# Altium PCB LoRaBoard1.PcbDoc (continued)
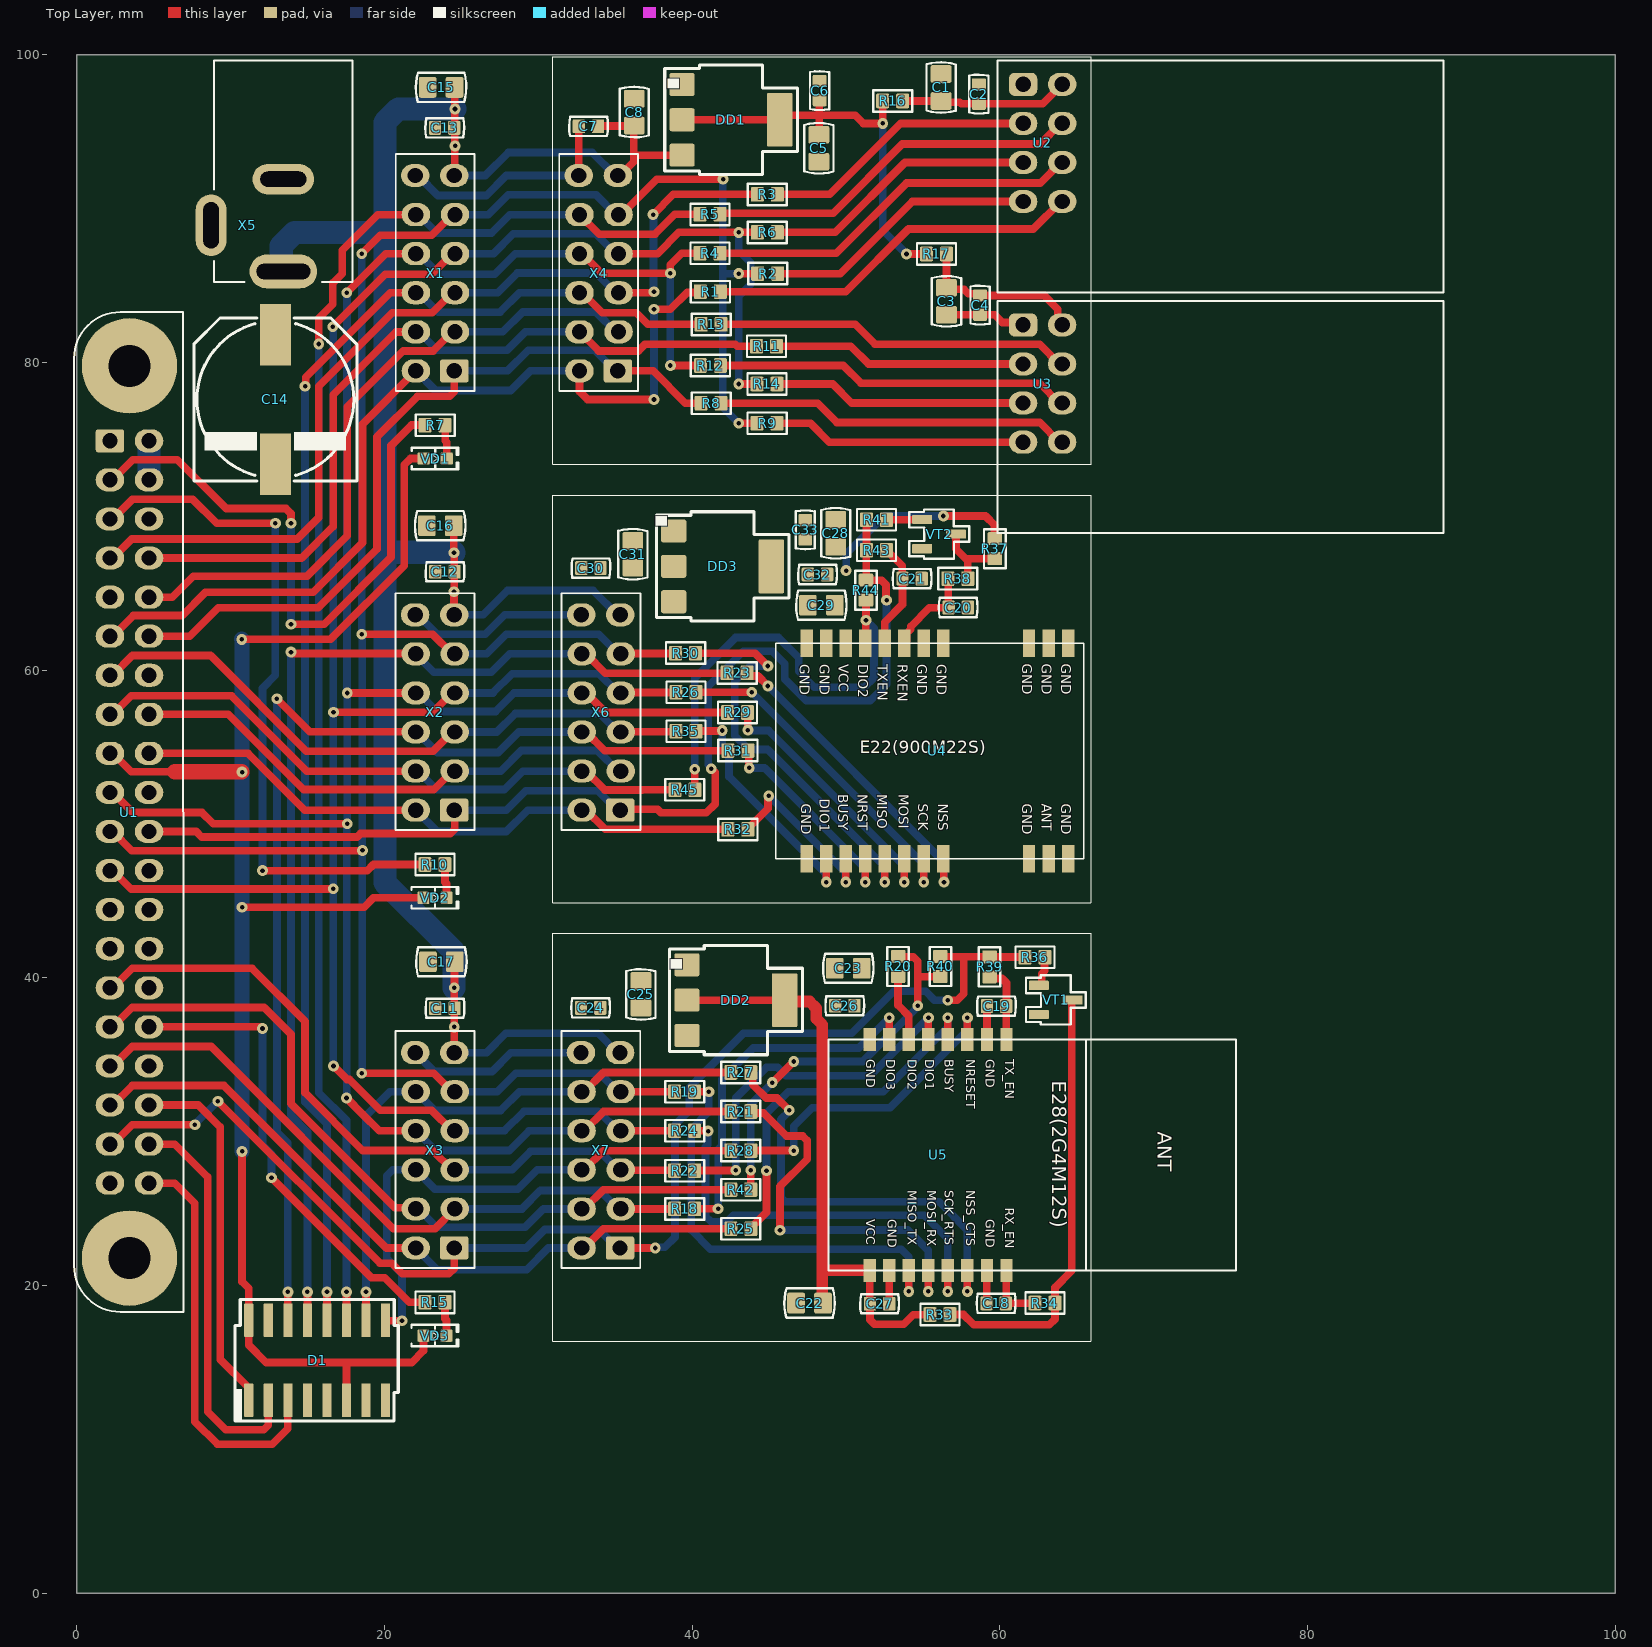
[diagram p0: Top Layer view]
## Part data
C1 C3 C5 C8 C15 C16 C17 C22 C23 C25 C28 C29 C31 C36 C37 C39: library part Capacitor, "10мкФ X5R 16В 10% 0805, CC0805KKX5R7BB106", Part Number=CC0805KKX5R7BB106
C2 C4 C6 C7 C9 C10 C11 C12 C13 C18 C19 C20 C21 C24 C26 C27 C30 C32 C33 C34 C35 C38 C40 C41: library part Capacitor, "CC0603JPX7R9BB104, 50V 100nF X7R 5% 0603", Part Number=CC0603JPX7R9BB104
C14: library part "CAP ALSMD ELEC", "ECAP SMD, 330 мкФ, 35 В, 105°C, 20% 10x10.5мм, JCK1V331M100105", Part Number="ECAP SMD, 330 мкФ, 35 В, 105°C, 20% 10x10.5мм, JCK1V331M100105"
D1: "3-to-8 line decoder/demultiplexer"
DD1 DD2 DD3 DD4: "800mA Low-Dropout Linear Regulator"
R1 R2 R3 R4 R5 R6 R8 R9 R11 R12 R13 R14 R16 R17 R18 R19 R20 R21 R22 R23 R24 R25 R26 R27 R28 R29 R30 R31 R32 R34 R35 R38 R39 R42 R43 R45 R46 R47 R48 R49 R50 R51 R52 R54 R56 R58: library part Resistor, "0.1Вт 0603 100 Ом, 5%, RC0603JR-07100RL", Part Number=RC0603JR-07100RL, Type=Резистор
R7 R10 R15: library part Resistor, "0.1Вт 0603 100 Ом, 5%, RC0603JR-07470RL", Part Number=RC0603JR-07470RL, Type=Резистор
R33 R37 R53: library part Resistor, "0.1Вт 0603 100 кОм, 5%, RC0603JR-071KL", Part Number=RC0603JR-07100KL, Type=Резистор
R36 R40 R41 R44 R55 R57: library part Resistor, "0.1Вт 0603 1 кОм, 5%, RC0603JR-071KL", Part Number=RC0603JR-071KL, Type=Резистор
U1: "1.4GHz 64-bit quad-core processor, dual-band wireless LAN, Bluetooth 4.2/BLE, faster Ethernet, and Power-over-Ethernet support (with separate PoE HAT)", Package=None, Availability=Unavailable, MF="Raspberry Pi Foundation (NF)", MP=RASPBERRYPI3_B+, Price=None, SnapEDA_Link=https://www.snapeda.com/parts/RASPBERRYPI4%204GB/Raspberry%20Pi/view-part/3832294/?ref=snap
U2 U3: "- Transceiver For Use With nRF24L01+", Package=None, Availability=Bad, MF="Nordic Semiconductor", Mouser-Purchase-URL=https://snapeda.com/shop?store=Mouser&id=230534, MP=NRF24L01P-MODULE-PCB, Price=None, SnapEDA_Link=https://www.snapeda.com/parts/NRF24L01P-MODULE-PCB/Nordic%20Semiconductor%20ASA/view-part/230534/?ref=snap
U4 U6: "E22-900M22S Ebyte -147dBm 22.3dBm 7km SPI SMD,14x20mm LoRa Modules", Manufacturer=EBYTE, Package=14x20mm, Temperature Range="-40…+85 °C", Number of Pins=22, Number of Rows=2, Part Number=E22-900M22S, Pitch=1.27
U5: "E28-2G4M20S Ebyte  -132dBm 21dBm 6km SPI SMD,15x26.5mm LoRa Modules", Manufacturer=EBYTE, Package=15x26.5mm, Temperature Range="-40…+85 °C", Number of Pins=16, Number of Rows=2, Part Number=E28-2G4M20S, Pitch=1.27
VT1 VT2 VT3: library part 2N7002ET1G, "MOSFET-N-60V-0.3A", Drain Current=0.3A, Drain Source Voltage=60V, Gate Source Voltage=±20V, Manufacturer="ON Semiconductor", On Drain Source Resistance=0.2Ohm, Package=SOT-23, Power Disspansion=0.5W, Temperature Range=-55…+150°C, Number of Channels=1, Part Number=2N7002ET1G, Polarity=N-Channel
X1 X2 X3 X4 X6 X7 X8: library part PLD-12, "2.54mm PIN Header 2X6P Straight Type H=2.5mm Full Gold Flash Plating.", Published=07.03.2013, Publisher="Andrew Danich", Type=Вилка
X5: "DC Power Receptacle Jack, Through Hole, Right Angle", MP=DC-005-5A-2.5

## Via types
v1: diameter 0.7, hole 0.3, Top Layer to Bottom Layer, tented both sides, 95 vias

## Nets (pads, with @x,y where several pads share a name; then routed paths per layer and width w, separated by ;. In a path a pad name is that pad's centre, name@x,y a point inside that pad or via, vN(x,y) a via of type N, cw(c..) or ccw(c..) an arc to the next point about the centre after c; other vN are vias at no path point)
3V3: C9.2 C10.2 D1.6 D1.16 U1.17 VD1.1 VD2.1 VD3.1 | length 103.3
  Top Layer w0.5: U1.17 2.325,54.59 3.525,53.39 6.365,53.39 ; v1(10.724,62.001) 16.487,62.001 21.285,66.8 21.285,73.356 21.688,73.758 VD1.1 ; v1(10.738,28.717) 10.738,20.25 11.177,19.811 D1.16 11.177,16.128 12.319,14.986 17.527,14.986 ; v1(10.738,44.593) 18.676,44.593 19.283,45.201 VD2.1 ; D1.6 17.527,14.986 ; VD3.1 22.53,15.748 21.768,14.986 17.527,14.986
  Top Layer w1: 6.365,53.39 10.724,53.39 v1(10.738,53.377)
  Bottom Layer w1: v1(10.724,62.001) 10.738,61.988 v1(10.738,44.593) v1(10.738,28.717)
3V3_1: C1.2 C2.2 R16.2 U2.2 | length 11
  Top Layer w0.5: R16.2 C1.2 56.258,96.931 57.383,96.931 57.483,96.831 C2.2 58.838,96.831 62.797,96.831 U2.2
3V3_2: C3.2 C4.2 R17.2 U3.2 | length 11.1
  Top Layer w0.5: R17.2 C3.2 56.63,84.759 57.665,84.759 57.959,84.465 58.605,84.465 C4.2 62.882,84.357 63.773,83.466 63.773,82.722 U3.2
3V3_3: C28.2 C29.2 C32.2 C33.2 DD3.2 DD3.4 R37.1 U4.9 | length 12.9
  Top Layer w0.5: v1(56.332,70.024) 59.066,70.024 59.659,69.431 59.659,68.566 R37.1
  Bottom Layer w0.5: v1(50.007,66.474) 50.022,66.489 50.022,67.574 52.472,70.024 v1(56.332,70.024)
3V3_4: C22.2 C23.2 C26.2 C27.2 DD2.2 DD2.4 R33.1 U5.1 | length 38.5
  Top Layer w0.4: U5.1 U5.1@51.551,20.977
  Top Layer w0.5: DD2.2 DD2.4 ; U5.1@51.551,20.977 51.551,18.822 C27.2 51.561,17.78 51.854,17.487 53.756,17.487 54.368,18.099 55.448,18.099 R33.1
  Top Layer w0.75: DD2.4 46.461,38.462 47.63,38.462 48.069,38.023 48.069,37.354 48.461,36.962 48.461,20.977 ; C22.2 48.461,18.903 48.461,20.977 ; C23.2 C23.2@49.288,40.61 ; U5.1@51.551,20.977 48.461,20.977
3V3_5: C36.2 C37.2 C40.2 C41.2 DD4.2 DD4.4 R53.1 U6.9
5V0: C7.2 C8.2 C11.2 C12.2 C13.2 C14.1 C15.2 C16.2 C17.2 C24.2 C25.2 C30.2 C31.2 DD1.3 DD2.3 DD3.3 U1.2 U1.4 X1.11 X2.11 X3.11 X4.11 X5.1 X6.11 X7.11 | length 141.6
  Top Layer w0.5: C16.2 24.508,69.382 24.508,67.643 24.536,67.615 24.536,66.418 C12.2 24.533,66.382 24.533,65.123 v1(24.514,65.103) 24.521,65.096 24.521,63.606 X2.11 ; v1(24.528,36.81) 24.541,36.822 24.541,38.01 C11.2 24.541,38.034 24.541,39.338 v1(24.53,39.35) 24.552,39.372 24.552,41.025 C17.2 ; X3.11 v1@24.529,36.809 ; X1.11 24.564,92.18 24.564,94.058 v1(24.587,94.082) 24.561,94.108 24.561,95.231 C13.2 24.557,95.279 24.557,96.459 v1(24.58,96.481) 24.566,96.496 24.566,97.873 C15.2 ; C7.2 33.908,95.381 C8.2@36.208,95.381 ; X4.11 35.308,92.156 36.208,93.056 36.208,93.431 ; C8.2 C8.2@36.208,95.381 ; DD1.3 36.258,93.481 36.208,93.431 ; 36.208,93.431 C8.2@36.208,95.381
  Bottom Layer w0.5: X2.11 26.414,63.599 27.991,65.176 33.57,65.176 35.147,63.599 X6.11 ; X3.11 26.628,35.137 27.878,36.387 33.886,36.387 35.136,35.137 X7.11 ; X1.11 26.548,92.156 28.042,93.65 33.504,93.65 34.998,92.156 X4.11
  Bottom Layer w1.5: U1.4 U1.2 ; X5.1 13.284,86.063 13.284,87.582 14.163,88.461 20.026,88.461 ; v1(24.519,67.632) 24.486,67.666 20.026,67.666 ; v1(24.53,39.35) 24.53,41.688 20.026,46.192 20.026,67.666 ; v1(24.58,96.481) 24.566,96.496 20.905,96.496 20.026,95.617 20.026,88.461 ; 20.026,67.666 20.026,88.461
5V0_5: C38.2 C39.2 DD4.3 X8.11
BUSY_1: R1.2 U1.11 X1.2 X4.2 | length 59
  Top Layer w0.5: U1.11 2.325,62.21 3.665,63.55 6.837,63.55 8.362,65.075 15.367,65.075 18.567,68.275 18.567,75.984 X1.2 ; X4.2 32.673,78.122 33.198,77.597 v1(37.516,77.597) ; v1(37.516,83.464) 38.583,83.464 39.673,84.555 40.482,84.555 R1.2
  Bottom Layer w0.5: X1.2 23.315,78.181 28.212,78.181 29.487,79.456 X4.2 ; v1(37.516,77.597) v1(37.516,83.464)
BUSY_2: R8.2 U1.12 X1.1 X4.1 | length 50.1
  Top Layer w0.5: U1.12 7.346,62.21 9.195,64.059 15.694,64.059 19.507,67.872 19.507,75.16 22.147,77.8 24.247,77.8 24.54,78.093 X1.1 ; X4.1 37.46,79.456 39.56,77.356 R8.2
  Bottom Layer w0.5: X1.1 27.996,79.456 29.336,80.796 33.658,80.796 34.998,79.456 X4.1
BUSY_3: R32.2 U1.18 X2.2 X6.2 | length 40.8
  Top Layer w0.5: U1.18 11.12,54.59 14.811,50.899 X2.2 ; X6.2 33.097,50.899 34.347,49.649 R32.2
  Bottom Layer w0.5: X2.2 23.417,49.51 27.92,49.51 29.309,50.899 X6.2
BUSY_4: R25.2 U1.35 X3.2 X7.2 | length 47
  Top Layer w0.25: X7.2 X7.2@32.986,22.437
  Top Layer w0.5: U1.35 2.325,31.73 3.59,32.995 9.566,32.995 20.124,22.437 X3.2 ; X7.2@32.986,22.437 34.236,23.687 R25.2@42.586,23.687
  Bottom Layer w0.5: X3.2 23.435,21.031 29.235,21.031 30.641,22.437 X7.2
BUSY_5: R51.2 X8.2
C\S\_\1\: D1.11 R5.1 X1.10 X4.10 | length 97.2
  Top Layer w0.5: v1(15.723,81.204) 15.723,82.875 16.637,83.79 16.637,85.166 17.247,85.776 17.247,87.3 19.563,89.616 X1.10 ; D1.11 v1(17.527,19.58) ; X4.10 33.958,88.331 37.578,88.331 38.878,89.631 R5.1
  Bottom Layer w0.5: v1(15.723,81.204) 15.723,32.537 17.527,30.733 v1(17.527,19.58) ; X1.10 22.215,89.616 23.415,88.416 26.948,88.416 28.148,89.616 X4.10
C\S\_\2\: D1.12 R13.1 X1.6 X4.6 | length 91.8
  Top Layer w0.5: v1(14.834,78.461) 14.872,78.499 14.872,79.043 20.365,84.536 X1.6 ; D1.12 v1(16.257,19.58) ; X4.6 32.848,84.536 34.153,83.231 36.358,83.231 37.108,82.481 R13.1
  Bottom Layer w0.5: v1(14.834,78.461) 14.834,31.928 16.257,30.505 v1(16.257,19.58) ; X1.6 22.215,84.536 23.49,83.261 27.502,83.261 28.777,84.536 X4.6
C\S\_\3\: D1.13 R23.2 X2.10 X6.10 | length 73.8
  Top Layer w0.5: v1(13.919,61.173) 13.973,61.173 14.06,61.087 22,61.087 X2.10 ; D1.13 v1(14.987,19.58) ; X6.10 33.097,61.059 34.357,59.799 42.097,59.799 42.122,59.824 R23.2
  Bottom Layer w0.5: v1(13.919,61.173) 13.919,31.064 14.987,29.997 v1(14.987,19.58) ; X2.10 22.028,61.03 23.199,59.859 26.942,59.859 28.142,61.059 X6.10
C\S\_\4\: D1.10 R27.1 X3.10 X7.10 | length 39.2
  Top Layer w0.5: D1.10 v1(18.797,19.58) ; X7.10 32.986,32.597 34.236,33.847 R27.1
  Bottom Layer w0.5: v1(18.797,19.58) 18.797,31.039 20.355,32.597 X3.10 23.247,31.38 27.56,31.38 28.777,32.597 X7.10
C\S\_\5\: R46.2 X8.10
CE_1: R3.1 U1.7 X1.5 X4.5 | length 61
  Top Layer w0.5: U1.7 2.325,67.29 3.564,68.529 14.326,68.529 15.723,69.926 15.723,78.461 20.493,83.231 23.099,83.231 24.405,84.536 X1.5 ; X4.5 37.392,84.536 37.462,84.606 v1(37.516,84.606) ; v1(37.462,89.616) 37.462,89.62 38.773,90.931 R3.1
  Bottom Layer w0.5: X1.5 27.357,84.536 28.636,85.816 33.758,85.816 35.038,84.536 X4.5 ; v1(37.462,89.616) 37.489,89.589 37.489,84.633 v1(37.516,84.606)
CE_2: R11.1 U1.8 X1.4 X4.4 | length 52.3
  Top Layer w0.5: U1.8 14.607,67.29 16.661,69.345 16.661,77.901 20.75,81.99 22.033,81.99 X1.4 ; X4.4 33.913,80.756 36.508,80.756 36.933,81.181 42.808,81.181 42.933,81.056 R11.1
  Bottom Layer w0.5: X1.4 22.215,81.996 23.415,80.796 27.964,80.796 29.164,81.996 X4.4
DI2_3: R44.1 R45.2 U4.8 | length 28.9
  Top Layer w0.5: R45.2 v1(40.172,53.564) ; U4.8 51.274,61.772 51.274,63.227 v1(51.297,63.249) R44.1
  Bottom Layer w0.5: v1(40.172,53.564) 40.172,59.474 42.822,62.124 45.607,62.124 46.927,60.804 46.927,59.922 47.949,58.899 51.199,58.899 51.822,59.522 51.822,62.724 v1(51.297,63.249)
DI2_4: R20.2 R40.1 R42.2 | length 24.9
  Top Layer w0.5: R42.2 v1(43.811,27.489) ; v1(45.211,33.187) 45.222,33.187 46.597,34.562 v1(46.609,34.562) ; R20.2 53.582,41.387 53.611,41.358 54.368,41.358 54.661,41.065 54.661,40.062 ; v1(54.661,38.187) 54.661,40.062 ; R40.1 56.111,40.062 54.661,40.062
  Bottom Layer w0.5: v1(43.811,27.489) 43.811,31.787 v1(45.211,33.187) ; v1(46.609,34.562) 51.092,34.562 54.623,38.092 54.623,38.149 v1(54.661,38.187)
DI2_5: R57.1 R58.2 U6.8
DIO1_1: U1.10 X1.3 | length 43.6
  Top Layer w0.5: U1.10 6.208,64.75 7.575,66.116 14.961,66.116 17.577,68.732 17.577,77.114 21.218,80.756 23.164,80.756 24.405,81.996 X1.3
  Bottom Layer w0.5: X1.3 27.691,81.996 28.981,83.287 33.747,83.287 35.038,81.996 35.213,81.996
DIO1_3: R35.2 U1.13 X2.5 X6.5 | length 41.4
  Top Layer w0.5: U1.13 2.325,59.67 3.615,60.96 8.687,60.96 14.91,54.737 23.151,54.737 24.393,55.979 X2.5 ; X6.5 35.387,56.004 38.922,56.004 R35.2
  Bottom Layer w0.5: X2.5 27.297,55.979 28.497,57.179 33.987,57.179 35.187,55.979 X6.5
DIO1_4: R22.2 U1.29 X3.5 X7.5 | length 46.4
  Top Layer w0.5: U1.29 2.325,39.35 3.59,40.615 11.379,40.615 14.834,37.16 14.834,32.525 18.591,28.768 23.143,28.768 24.395,27.517 X3.5 ; X7.5 35.378,27.489 38.858,27.489 R22.2@38.886,27.462
  Bottom Layer w0.5: X3.5 28.294,27.517 29.494,28.717 33.976,28.717 35.176,27.517 X7.5
DIO1_5: R52.2 X8.5
DIO2_3: R45.1 U1.15 X2.4 X6.4 | length 40.8
  Top Layer w0.5: U1.15 2.325,57.13 3.525,58.33 10.047,58.33 14.938,53.439 X2.4 ; X6.4 33.097,53.439 34.322,52.214 36.751,52.214 36.761,52.224 R45.1
  Bottom Layer w0.5: X2.4 22.203,53.439 23.403,52.239 25.417,52.239 27.779,52.239 28.979,53.439 X6.4
DIO2_4: R42.1 U1.31 X3.4 X7.4 | length 50.5
  Top Layer w0.5: U1.31 2.325,36.81 3.59,38.075 12.167,38.075 13.919,36.322 13.919,31.826 20.683,25.062 21.944,25.062 X3.4 ; X7.4 32.986,24.977 34.236,26.227 R42.1@42.536,26.227
  Bottom Layer w0.5: X3.4 22.205,24.977 23.405,23.777 29.134,23.777 30.334,24.977 X7.4
DIO2_5: R58.1 X8.4
DIO3_3: U1.16 X2.3 | length 34.3
  Top Layer w0.5: U1.16 9.85,57.13 14.741,52.239 23.193,52.239 24.393,53.439 X2.3
  Bottom Layer w0.5: X2.3 27.555,53.439 28.895,54.779 33.847,54.779 35.187,53.439 35.362,53.439
DIO3_4: R18.2 U1.33 X3.3 X7.3 | length 43.7
  Top Layer w0.5: U1.33 2.325,34.27 3.59,35.535 8.729,35.535 20.577,23.687 23.28,23.687 X3.3 ; X7.3 R18.2
  Bottom Layer w0.5: X3.3 28.936,24.977 30.136,26.177 33.976,26.177 35.176,24.977 X7.3
EN_TX_3: R41.1 R43.1 R44.2 U1.22 X2.1 X6.1 | length 74.4
  Top Layer w0.5: U1.22 7.762,49.51 8.123,49.149 18.212,49.149 18.44,49.378 24.275,49.378 24.568,49.67 24.568,50.859 X2.1 ; X6.1 35.372,50.949 37.747,50.949 37.972,50.724 40.922,50.724 41.497,51.299 41.497,53.349 v1(41.247,53.599) ; R41.1 R43.1 51.317,67.779 51.317,65.869 R44.2 52.306,65.849 52.598,65.556 52.598,64.588 v1(52.637,64.549)
  Bottom Layer w0.5: X2.1 27.91,50.899 29.183,52.172 33.874,52.172 35.147,50.899 X6.1 ; v1(41.247,53.599) 41.247,53.653 41.047,53.853 41.047,58.949 43.322,61.224 45.219,61.224 46.022,60.421 46.022,59.424 47.422,58.024 51.572,58.024 52.637,59.089 v1(52.637,64.549)
EN_TX_4: R36.1 R39.1 R40.2 U1.37 X3.1 X7.1 | length 84.2
  Top Layer w0.5: U1.37 2.325,29.19 3.59,30.455 v1(7.671,30.455) ; v1(9.169,31.979) 19.71,21.438 20.472,21.438 21.158,20.752 24.181,20.752 24.53,21.101 X3.1 ; X7.1 v1(37.592,22.437) ; R40.2 56.148,41.374 57.736,41.374 ; v1(56.621,38.547) 57.242,38.547 57.661,38.966 57.661,41.299 57.736,41.374 ; R36.1 61.623,41.349 59.348,41.349 R39.1 59.323,41.374 57.736,41.374
  Bottom Layer w0.5: v1(7.671,30.455) 7.671,30.467 9.169,31.966 v1(9.169,31.979) ; X3.1 29.219,22.437 30.419,23.637 33.936,23.637 35.136,22.437 X7.1 ; v1(37.592,22.437) 37.63,22.475 38.223,22.475 38.886,23.138 38.886,30.437 39.811,31.362 39.811,32.862 40.761,33.812 43.336,36.387 50.361,36.387 53.098,39.124 55.173,39.124 55.751,38.547 v1(56.621,38.547)
EN_TX_5: R55.1 R56.1 R57.2
GND: C1.1 C2.1 C3.1 C4.1 C5.1 C6.1 C7.1 C8.1 C9.1 C10.1 C11.1 C12.1 C13.1 C14.2 C15.1 C16.1 C17.1 C18.1 C19.2 C20.1 C21.2 C22.1 C23.1 C24.1 C25.1 C26.1 C27.1 C28.1 C29.1 C30.1 C31.1 C32.1 C33.1 C34.1 C35.2 C36.1 C37.1 C38.1 C39.1 C40.1 C41.1 D1.4 D1.5 D1.8 DD1.1 DD2.1 DD3.1 DD4.1 U1.6 U1.9 U1.14 U1.20 U1.25 U1.30 U1.34 U1.39 U2.1 U3.1 U4.1 U4.2 U4.3 U4.4 U4.5 U4.10 U4.11 U4.12 U4.20 U4.22 U5.2 U5.7 U5.10 U5.16 U6.1 U6.2 U6.3 U6.4 U6.5 U6.10 U6.11 U6.12 U6.20 U6.22 VT1.2 VT2.2 VT3.2 X1.12 X2.12 X3.12 X4.12 X5.2 X6.12 X7.12 X8.12 | length 50.4
  Top Layer w0.5: X4.12 C7.1 ; C27.1 U5.2 ; C3.1 C4.1@58.763,83.106 ; C4.1 59.657,83.107 60.155,82.609 61.346,82.609 U3.1 ; C18.1 59.148,18.849 59.148,20.974 U5.7 ; U5.10 C19.2
  Bottom Layer w0.5: X2.12 22.163,63.599 23.431,62.332 26.54,62.332 27.807,63.599 X6.12 ; X3.12 23.218,33.909 26.99,33.909 28.218,35.137 X7.12 ; X1.12 22.175,92.156 23.475,90.856 26.619,90.856 27.92,92.156 X4.12
  Bottom Layer w1: X3.12@21.948,35.179 X3.12
LED_1: R7.1 U1.3 | length 39.3
  Top Layer w0.5: U1.3 2.325,72.37 3.64,73.685 6.533,73.685 9.708,70.51 13.589,70.51 13.919,70.18 v1(13.919,69.545) ; v1(13.919,62.992) 16.078,62.992 20.422,67.335 20.422,74.602 21.758,75.938 22.625,75.938 R7.1
  Bottom Layer w0.5: v1(13.919,62.992) v1(13.919,69.545)
LED_2: R10.1 U1.5 | length 45.6
  Top Layer w0.5: U1.5 2.325,69.83 3.615,71.12 7.518,71.12 9.093,69.545 v1(12.903,69.545) ; v1(12.065,46.97) 12.08,46.955 18.872,46.955 19.283,47.366 R10.1
  Bottom Layer w0.5: v1(12.065,46.97) 12.065,58.826 12.903,59.665 v1(12.903,69.545)
LED_3: R15.1 U1.32 | length 30.7
  Top Layer w0.5: U1.32 11.904,36.81 12.011,36.703 v1(12.065,36.703) ; v1(12.649,27) 19.152,20.498 20.015,20.498 21.61,18.903 R15.1
  Bottom Layer w0.5: v1(12.065,36.703) 12.065,29.108 12.649,28.524 v1(12.649,27)
MISO: R2.2 R9.2 R19.1 R30.2 U1.21 X1.9 X2.9 X3.9 X4.9 X6.9 X7.9 | length 160.5
  Top Layer w0.5: U1.21 2.325,49.51 3.575,48.26 18.542,48.26 v1(18.567,48.285) ; v1(18.517,33.797) 23.195,33.797 24.395,32.597 X3.9 ; v1(18.517,62.332) 23.121,62.332 24.393,61.059 X2.9 ; v1(18.517,87.076) 19.717,88.276 23.065,88.276 24.405,89.616 X1.9 ; X4.9 35.388,89.616 37.694,91.923 v1(42.012,91.923) ; X7.9 R19.1 ; X6.9 35.387,61.084 38.897,61.084 R30.2 ; v1(43.033,76.056) R9.2 ; v1(43.033,85.781) R2.2
  Bottom Layer w0.5: v1(18.517,33.797) 18.542,33.822 18.542,48.26 v1(18.567,48.285) 18.542,48.311 18.542,62.306 v1(18.517,62.332) v1(18.517,87.076) ; X2.9 26.642,61.059 27.915,62.332 33.914,62.332 35.187,61.059 X6.9 ; X3.9 27.329,32.597 28.529,33.797 33.976,33.797 35.176,32.597 X7.9 ; X1.9 26.751,89.616 28.042,90.907 33.747,90.907 35.038,89.616 X4.9 ; v1(42.012,91.923) 41.983,91.894 41.983,85.781 ; v1(43.033,76.056) 41.983,77.106 41.983,85.781 ; v1(43.033,85.781) 41.983,85.781
MISO_5: R49.2 X8.9
MOSI: R4.2 R12.2 R21.1 R29.2 U1.19 X1.8 X2.8 X3.8 X4.8 X6.8 X7.8 | length 156.9
  Top Layer w0.5: U1.19 2.325,52.05 3.626,50.749 8.128,50.749 8.87,50.008 17.572,50.008 v1(17.577,50.013) ; v1(17.527,32.187) 18.57,31.144 19.657,30.057 X3.8 ; v1(17.541,84.536) 20.081,87.076 X1.8 ; v1(17.577,58.519) X2.8 ; X4.8 32.858,87.076 34.133,85.801 v1(38.583,85.801) 38.583,86.36 39.329,87.106 R4.2 ; X7.8 32.986,30.057 34.236,31.307 R21.1 R21.1@42.561,31.307 ; X6.8 33.097,58.519 34.367,57.249 R29.2 ; v1(38.583,79.806) R12.2
  Bottom Layer w0.5: v1(17.527,32.187) 17.552,32.212 17.552,49.988 v1(17.577,50.013) v1(17.577,58.519) 17.559,58.537 17.559,84.518 v1(17.541,84.536) ; X2.8 22.203,58.519 23.403,57.319 27.22,57.319 28.42,58.519 X6.8 ; X3.8 23.318,28.768 28.107,28.768 29.396,30.057 X7.8 ; X1.8 22.215,87.076 23.544,85.747 27.175,85.747 28.504,87.076 X4.8 ; v1(38.583,79.806) v1(38.583,85.801)
MOSI_5: R48.2 X8.8
N\R\S\T\_\3\: D1.14 R31.2 X2.6 X6.6 | length 72.5
  Top Layer w0.5: v1(13.005,58.141) 15.143,56.003 22.005,56.003 X2.6 ; D1.14 v1(13.717,19.58) ; X6.6 33.097,55.979 34.312,54.764 42.147,54.764 42.157,54.774 R31.2
  Bottom Layer w0.5: v1(13.005,58.141) 13.005,29.997 13.717,29.285 v1(13.717,19.58) ; X2.6 22.101,55.979 23.431,54.649 27.395,54.649 28.725,55.979 X6.6
N\R\S\T\_\4\: D1.9 R28.2 X3.6 X7.6 | length 35
  Top Layer w0.5: D1.9 20.101,17.704 v1(21.133,17.704) ; X7.6 32.986,27.517 34.236,28.767 R28.2 R28.2@42.536,28.767
  Bottom Layer w0.5: v1(21.133,17.704) 21.133,20.777 20.148,21.762 20.148,27.128 20.537,27.517 X3.6 23.283,26.264 28.666,26.264 29.92,27.517 X7.6
N\R\S\T\_\5\: R50.2 X8.6
NetC5_2: C5.2 C6.2 DD1.2 DD1.4 R16.1 R17.1 | length 27.5
  Top Layer w0.5: DD1.2 DD1.4 45.991,96.081 48.263,96.081 ; C5.2 48.263,94.831 48.263,96.081 ; C6.2 48.263,97.031 48.263,96.081 ; R16.1 v1(52.383,95.545) 51.124,95.545 50.588,96.081 48.263,96.081 ; v1(53.935,87.056) R17.1
  Bottom Layer w0.5: v1(52.383,95.545) 52.383,88.608 v1(53.935,87.056)
NetR1_1: R1.1 U2.8 | length 24.7
  Top Layer w0.5: R1.1 41.842,84.597 49.978,84.597 54.062,88.681 62.179,88.681 63.964,90.465 U2.8
NetR2_1: R2.1 U2.7 | length 17.9
  Top Layer w0.5: R2.1 49.616,85.781 54.3,90.465 U2.7
NetR3_2: R3.2 U2.3 | length 17.9
  Top Layer w0.5: R3.2 48.938,90.931 53.552,95.545 U2.3
NetR4_1: R4.1 U2.6 | length 24.7
  Top Layer w0.5: R4.1 49.376,87.106 53.935,91.665 62.624,91.665 63.964,93.005 U2.6
NetR5_2: R5.2 U2.4 | length 24.7
  Top Layer w0.5: R5.2 41.883,89.706 49.162,89.706 53.662,94.205 62.624,94.205 63.964,95.545 U2.4
NetR6_1: R6.1 U2.5 | length 17.9
  Top Layer w0.5: R6.1 49.292,88.461 53.837,93.005 U2.5
NetR7_2: R7.2 VD1.2 | length 2.2
  Top Layer w0.5: R7.2 23.94,74.91 24.04,74.81 VD1.2
NetR8_1: R8.1 U3.8 | length 23.2
  Top Layer w0.5: R8.1 48.158,77.356 49.408,76.106 62.594,76.106 63.874,74.826 U3.8
NetR9_1: R9.1 U3.7 | length 16.5
  Top Layer w0.5: R9.1 47.693,76.056 48.923,74.826 U3.7
NetR10_2: R10.2 VD2.2 | length 2.3
  Top Layer w0.5: VD2.2@23.978,45.251 VD2.2 24.028,46.124 23.928,46.224 R10.2 R10.2@23.978,47.316
NetR11_2: R11.2 U3.3 | length 16.5
  Top Layer w0.5: R11.2 50.318,81.056 51.468,79.906 U3.3
NetR12_1: R12.1 U3.6 | length 23.2
  Top Layer w0.5: R12.1 49.831,79.806 50.981,78.656 62.584,78.656 63.874,77.366 U3.6
NetR13_2: R13.2 U3.4 | length 23.2
  Top Layer w0.5: R13.2 50.588,82.481 51.888,81.181 62.599,81.181 63.874,79.906 U3.4
NetR14_1: R14.1 U3.5 | length 16.5
  Top Layer w0.5: R14.1 49.132,78.606 50.372,77.366 U3.5
NetR15_2: R15.2 VD3.2 | length 2.2
  Top Layer w0.5: R15.2 23.93,17.838 24.03,17.738 VD3.2
NetR18_1: R18.1 U5.15 | length 24
  Top Layer w0.5: R18.1 40.166,24.982 41.681,24.982 v1(41.686,24.987) ; U5.15 v1(52.811,37.412)
  Bottom Layer w0.5: v1(41.686,24.987) 41.686,28.837 41.936,29.087 41.936,33.412 43.961,35.437 50.836,35.437 v1(52.811,37.412)
NetR19_2: R19.2 U5.3 | length 28.9
  Top Layer w0.5: R19.2 v1(41.086,32.597) ; U5.3 54.083,20.984 54.083,19.614 v1(54.086,19.612)
  Bottom Layer w0.5: v1(41.086,32.597) 41.086,31.312 39.936,30.162 39.936,23.612 41.186,22.362 53.586,22.362 54.086,21.862 v1(54.086,19.612)
NetR20_1: R20.1 U5.14 | length 4.4
  Top Layer w0.5: R20.1 53.386,38.212 54.081,37.517 U5.14
NetR21_2: R21.2 U5.4 | length 25.3
  Top Layer w0.5: R21.2 43.901,31.216 44.631,31.216 46.136,29.712 47.192,29.712 47.486,29.418 47.486,28.212 45.711,26.437 v1(45.711,23.587) ; v1(55.351,19.612) U5.4
  Bottom Layer w0.5: v1(45.711,23.587) 45.731,23.607 54.016,23.607 55.351,22.272 v1(55.351,19.612)
NetR22_1: R22.1 U5.13 | length 24
  Top Layer w0.5: R22.1 40.175,27.476 42.822,27.476 v1(42.836,27.489) ; U5.13 55.356,35.992 55.356,37.407 v1(55.361,37.412)
  Bottom Layer w0.5: v1(42.836,27.489) 42.836,32.187 44.836,34.187 45.546,34.187 46.096,33.637 51.586,33.637 v1(55.361,37.412)
NetR23_1: R23.1 U4.19 | length 20.8
  Top Layer w0.5: R23.1 43.572,59.794 43.747,59.619 44.277,59.619 v1(44.922,58.974) ; U4.19 56.352,47.729 56.352,46.244 v1(56.372,46.224)
  Bottom Layer w0.5: v1(44.922,58.974) 56.372,47.524 v1(56.372,46.224)
NetR24_2: R24.2 U5.5 | length 28
  Top Layer w0.5: R24.2 40.173,30.049 41.023,30.049 v1(41.036,30.037) ; v1(56.621,19.612) U5.5
  Bottom Layer w0.5: v1(41.036,30.037) 40.998,29.999 40.998,29.139 40.861,29.002 40.861,24.512 41.236,24.137 42.236,24.137 42.661,24.562 55.086,24.562 56.621,23.027 v1(56.621,19.612)
NetR25_1: R25.1 U5.12 | length 24.1
  Top Layer w0.5: R25.1 43.811,23.737 44.834,24.76 v1(44.834,27.452) ; U5.12 v1(56.621,37.412)
  Bottom Layer w0.5: v1(44.834,27.452) 44.834,31.185 46.246,32.597 52.426,32.597 56.621,36.792 v1(56.621,37.412)
NetR26_1: R26.1 U4.18 | length 22.1
  Top Layer w0.5: R26.1 v1(43.872,58.569) ; v1(55.062,46.224) U4.18
  Bottom Layer w0.5: v1(43.872,58.569) 55.062,47.379 v1(55.062,46.224)
NetR27_2: R27.2 U5.6 | length 28.2
  Top Layer w0.5: R27.2 43.936,33.721 43.936,33.061 44.811,32.187 45.511,32.187 v1(46.311,31.387) ; v1(57.891,19.612) U5.6
  Bottom Layer w0.5: v1(46.311,31.387) 46.311,31.333 45.768,30.79 45.768,25.73 46.061,25.437 56.061,25.437 57.891,23.607 v1(57.891,19.612)
NetR28_1: R28.1 U5.11 | length 20.5
  Top Layer w0.5: R28.1 43.812,28.768 v1(46.609,28.768) ; U5.11 v1(57.891,37.412)
  Bottom Layer w0.5: v1(46.609,28.768) 46.609,30.36 47.81,31.56 52.86,31.56 57.891,36.592 v1(57.891,37.412)
NetR29_1: R29.1 U4.17 | length 17.5
  Top Layer w0.5: R29.1 43.609,57.237 43.609,56.117 v1(43.622,56.104) ; v1(53.792,46.224) U4.17
  Bottom Layer w0.5: v1(43.622,56.104) 43.652,56.074 44.972,56.074 53.792,47.254 v1(53.792,46.224)
NetR30_1: R30.1 U4.16 | length 26.9
  Top Layer w0.5: R30.1 44.087,61.109 v1(44.922,60.274) ; v1(52.522,46.224) U4.16
  Bottom Layer w0.5: v1(44.922,60.274) 43.774,60.274 42.772,59.272 42.772,55.749 43.672,54.849 44.897,54.849 50.522,49.224 52.484,47.263 52.484,46.263 v1(52.522,46.224)
NetR31_1: R31.1 U4.15 | length 13.8
  Top Layer w0.5: R31.1 43.668,54.728 43.668,53.684 v1(43.707,53.646) ; v1(51.252,46.224) U4.15
  Bottom Layer w0.5: v1(43.707,53.646) 44.7,53.646 51.214,47.133 51.214,46.263 v1(51.252,46.224)
NetR32_1: R32.1 U4.14 | length 11.9
  Top Layer w0.5: R32.1 43.622,49.699 44.934,51.011 44.934,51.786 v1(44.972,51.824) ; v1(49.982,46.224) U4.14
  Bottom Layer w0.5: v1(44.972,51.824) 49.944,46.853 49.944,46.263 v1(49.982,46.224)
NetR33_2: R33.2 R34.1 VT1.3 | length 28.5
  Top Layer w0.5: R33.2 57.634,18.112 58.309,17.437 63.211,17.437 63.586,17.812 R34.1 63.586,19.862 64.686,20.962 64.686,38.512 VT1.3
NetR35_1: R35.1 U4.13 | length 15.9
  Top Layer w0.5: R35.1 40.27,56.052 41.929,56.052 v1(41.952,56.075) ; v1(48.712,46.224) U4.13
  Bottom Layer w0.5: v1(41.952,56.075) 41.952,55.094 42.397,54.649 42.397,53.074 48.701,46.77 48.701,46.235 v1(48.712,46.224)
NetR36_2: R36.2 VT1.1 | length 2.1
  Top Layer w0.5: VT1.1 62.668,39.512 62.718,39.562 62.718,40.269 62.905,40.456 62.905,41.306 R36.2
NetR37_2: R37.2 R38.1 VT2.3 | length 5.1
  Top Layer w0.5: VT2.3 57.147,67.899 57.797,67.249 ; R38.1 57.922,67.124 57.797,67.249 ; R37.2 57.797,67.249
NetR41_2: R41.2 VT2.1 | length 2.3
  Top Layer w0.5: R41.2 52.649,69.787 54.934,69.787 VT2.1
NetR46_1: R46.1 U6.19
NetR47_1: R47.1 U6.18
NetR48_1: R48.1 U6.17
NetR49_1: R49.1 U6.16
NetR50_1: R50.1 U6.15
NetR51_1: R51.1 U6.14
NetR52_1: R52.1 U6.13
NetR53_2: R53.2 R54.1 VT3.3
NetR55_2: R55.2 VT3.1
RX_EN_3: C20.2 R38.2 U4.6 | length 6.1
  Top Layer w0.5: U4.6 53.942,61.899 53.942,62.399 54.212,62.669 54.212,62.836 55.425,64.049 56.647,64.049 C20.2 56.647,64.099 56.647,65.924 R38.2
RX_EN_4: C18.2 R34.2 U5.8 | length 4.1
  Top Layer w0.5: C18.2@60.386,18.787 60.447,18.848 62.275,18.848 R34.2 ; U5.8 60.408,20.964 C18.2@60.408,18.859 ; C18.2@60.408,18.859 C18.2 C18.2@60.408,18.859
RX_EN_5: C34.2 R54.2 U6.6
SCLK: R6.2 R14.2 R24.1 R26.2 U1.23 X1.7 X2.7 X3.7 X4.7 X6.7 X7.7 | length 154.9
  Top Layer w0.5: U1.23 2.325,46.97 3.525,45.77 16.635,45.77 v1(16.661,45.796) ; v1(16.637,82.321) 20.052,85.736 23.065,85.736 24.405,87.076 X1.7 ; v1(16.686,34.27) 17.562,33.394 17.719,33.394 19.717,31.397 23.055,31.397 24.395,30.057 X3.7 ; v1(16.686,57.257) 23.131,57.257 24.393,58.519 X2.7 ; X4.7 37.753,87.076 39.138,88.461 v1(43.033,88.461) R6.2 ; X7.7 35.353,30.059 38.883,30.059 R24.1@38.886,30.062 ; X6.7 35.387,58.544 38.922,58.544 R26.2 ; v1(43.033,78.606) R14.2
  Bottom Layer w0.5: v1(16.637,82.321) 16.661,82.297 16.661,57.282 v1(16.686,57.257) 16.674,57.245 16.674,45.808 v1(16.661,45.796) 16.674,45.784 16.674,34.282 v1(16.686,34.27) ; X2.7 27.047,58.519 28.294,59.766 33.94,59.766 35.187,58.519 X6.7 ; X3.7 27.796,30.057 29.071,31.333 33.9,31.333 35.176,30.057 X7.7 ; X1.7 27.081,87.076 28.381,88.376 33.738,88.376 35.038,87.076 X4.7 ; v1(43.033,78.606) 43.033,84.317 43.815,85.099 43.815,85.432 43.833,85.45 43.833,86.112 43.815,86.13 43.815,86.487 43.033,87.269 v1(43.033,88.461)
SCLK_5: R47.2 X8.7
SS1: D1.1 U1.36 | length 23.8
  Top Layer w0.5: U1.36 7.894,31.73 9.327,30.297 9.327,15.188 11.177,13.338 D1.1
SS2: D1.2 U1.38 | length 26.1
  Top Layer w0.5: U1.38 6.365,29.19 8.509,27.046 8.509,11.786 9.677,10.617 12.154,10.617 12.447,10.91 D1.2
SS4: D1.3 U1.40 | length 26.6
  Top Layer w0.5: U1.40 6.365,26.65 7.671,25.344 7.671,11.151 9.144,9.677 12.706,9.677 13.717,10.688 D1.3
TX_EN_3: C21.1 R43.2 U4.7 | length 7
  Top Layer w0.5: U4.7 52.522,63.124 53.672,64.274 C21.1 53.647,65.974 53.647,66.789 52.862,67.574 52.812,67.574 52.637,67.749 R43.2
TX_EN_4: C19.1 R39.2 U5.9 | length 5
  Top Layer w0.5: R39.2 59.44,39.958 60.143,39.958 60.436,39.665 60.436,38.362 60.411,38.337 C19.1 60.421,38.152 60.421,35.997 U5.9
TX_EN_5: C35.1 R56.2 U6.7 X8.1
pads on no net: D1.7 D1.15 U1.1 U1.24 U1.26 U1.27 U1.28 U1.S1 U1.S2 U4.21 U6.21 X4.3 X5.3 X6.3 X8.3

## Silkscreen, mask and mechanical layers (free items; w line width, h text height)
Top Overlay:
  lines w0.016: 65.926,16.385 30.926,16.385 30.926,42.885 65.926,42.885 ; 65.927,44.879 30.927,44.879 30.927,71.379 65.927,71.379 ; 65.928,73.381 30.928,73.381 30.928,99.881 65.928,99.881 ; 65.931,16.385 65.931,42.556 65.931,42.885 ; 65.932,44.879 65.932,71.05 65.932,71.379 ; 65.933,73.381 65.933,99.552 65.933,99.881
Mechanical 12:
  lines w0.023: -0.58,21.78 ccw(c3.42,21.78) 3.42,17.78 ; -0.58,79.78 cw(c3.42,79.78) 3.42,83.78

## Text inside footprints (layer, text, board x,y; h text height)
DD1: Bottom Assembly "4" at 44.891,96.106 h1.5 r270; Bottom Assembly "1" at 39.166,98.281 h1.5 r270; Bottom Assembly "2" at 39.141,96.131 h1.5 r270; Bottom Assembly "3" at 39.116,93.831 h1.5 r270
DD2: Bottom Assembly "4" at 45.211,38.872 h1.5 r270; Bottom Assembly "1" at 39.486,41.047 h1.5 r270; Bottom Assembly "2" at 39.461,38.897 h1.5 r270; Bottom Assembly "3" at 39.436,36.597 h1.5 r270
DD3: Bottom Assembly "4" at 44.347,67.074 h1.5 r270; Bottom Assembly "1" at 38.622,69.249 h1.5 r270; Bottom Assembly "2" at 38.597,67.099 h1.5 r270; Bottom Assembly "3" at 38.572,64.799 h1.5 r270
DD4: Bottom Assembly "3" at 124.235,228.815 h1.5; Bottom Assembly "2" at 121.935,228.84 h1.5; Bottom Assembly "1" at 119.785,228.865 h1.5; Bottom Assembly "4" at 121.96,234.59 h1.5
U4: Top Overlay "E22(900M22S)" at 50.903,54.607 h0.8; Top Overlay "NSS" at 55.983,51.305 h0.65 r270; Top Overlay "SCK" at 54.713,51.305 h0.65 r270; Top Overlay "MOSI" at 53.443,51.94 h0.65 r270; Top Overlay "MISO" at 52.046,51.94 h0.65 r270; Top Overlay "NRST" at 50.776,51.94 h0.65 r270; Top Overlay "BUSY" at 49.506,51.94 h0.65 r270; Top Overlay "DIO1" at 48.302,51.652 h0.65 r270; Top Overlay "GND" at 47.093,51.305 h0.65 r270; Top Overlay "GND" at 61.446,51.321 h0.65 r270; Top Overlay "ANT" at 62.725,51.321 h0.65 r270; Top Overlay "GND" at 64.004,51.321 h0.65 r270; Top Overlay "GND" at 64.004,60.426 h0.65 r270; Top Overlay "GND" at 62.725,60.426 h0.65 r270; Top Overlay "GND" at 61.446,60.426 h0.65 r270; Top Overlay "GND" at 46.992,60.396 h0.65 r270; Top Overlay "GND" at 48.302,60.376 h0.65 r270; Top Overlay "VCC" at 49.52,60.396 h0.65 r270; Top Overlay "DIO2" at 50.798,60.396 h0.65 r270; Top Overlay "TXEN" at 52.077,60.396 h0.65 r270; Top Overlay "RXEN" at 53.356,60.396 h0.65 r270; Top Overlay "GND" at 54.635,60.396 h0.65 r270; Top Overlay "GND" at 55.914,60.396 h0.65 r270
U5: Top Overlay "RX_EN" at 60.154,25.051 h1 r270; Top Overlay "VCC" at 51.137,24.289 h1 r270; Top Overlay "GND" at 52.534,24.289 h1 r270; Top Overlay "MISO_TX" at 53.804,26.194 h1 r270; Top Overlay "MOSI_RX" at 55.074,26.194 h1 r270; Top Overlay "SCK_RTS" at 56.217,26.194 h1 r270; Top Overlay "NSS_CTS" at 57.614,26.194 h1 r270; Top Overlay "GND" at 58.884,24.289 h1 r270; Top Overlay "GND" at 58.884,34.703 h1 r270; Top Overlay "NRESET" at 57.614,34.703 h1 r270; Top Overlay "BUSY" at 56.217,34.703 h1 r270; Top Overlay "DIO1" at 54.947,34.703 h1 r270; Top Overlay "DIO2" at 53.804,34.703 h1 r270; Top Overlay "DIO3" at 52.407,34.703 h1 r270; Top Overlay "GND" at 51.137,34.703 h1 r270; Top Overlay "E28(2G4M12S)" at 63.075,33.306 h1.6 r270; Top Overlay "ANT" at 69.933,30.004 h1.6 r270; Top Overlay "TX_EN" at 60.154,34.703 h1 r270
U6: Top Overlay "GND" at 138.703,210.267 h0.65; Top Overlay "GND" at 138.703,208.988 h0.65; Top Overlay "RXEN" at 138.703,207.709 h0.65; Top Overlay "TXEN" at 138.703,206.431 h0.65; Top Overlay "DIO2" at 138.703,205.152 h0.65; Top Overlay "VCC" at 138.703,203.873 h0.65; Top Overlay "GND" at 138.723,202.655 h0.65; Top Overlay "GND" at 138.703,201.345 h0.65; Top Overlay "GND" at 138.673,215.799 h0.65; Top Overlay "GND" at 138.673,217.078 h0.65; Top Overlay "GND" at 138.673,218.357 h0.65; Top Overlay "GND" at 147.778,218.357 h0.65; Top Overlay "ANT" at 147.778,217.078 h0.65; Top Overlay "GND" at 147.778,215.799 h0.65; Top Overlay "GND" at 147.794,201.446 h0.65; Top Overlay "DIO1" at 147.447,202.655 h0.65; Top Overlay "BUSY" at 147.159,203.859 h0.65; Top Overlay "NRST" at 147.159,205.129 h0.65; Top Overlay "MISO" at 147.159,206.399 h0.65; Top Overlay "MOSI" at 147.159,207.796 h0.65; Top Overlay "SCK" at 147.794,209.066 h0.65; Top Overlay "NSS" at 147.794,210.336 h0.65; Top Overlay "E22(900M22S)" at 144.492,205.256 h0.8 r90
X1: Bottom Assembly "1" at 24.73,79.956 h1.5 r180
X2: Bottom Assembly "1" at 24.718,51.399 h1.5 r180
X3: Bottom Assembly "1" at 24.72,22.937 h1.5 r180
X4: Bottom Assembly "1" at 35.363,79.956 h1.5 r180
X6: Bottom Assembly "1" at 35.512,51.399 h1.5 r180
X7: Bottom Assembly "1" at 35.501,22.937 h1.5 r180
X8: Bottom Assembly "1" at 68.36,144.75 h1.5